# Altium PCB SG1.PcbDoc (part 2 of 3) (continued)
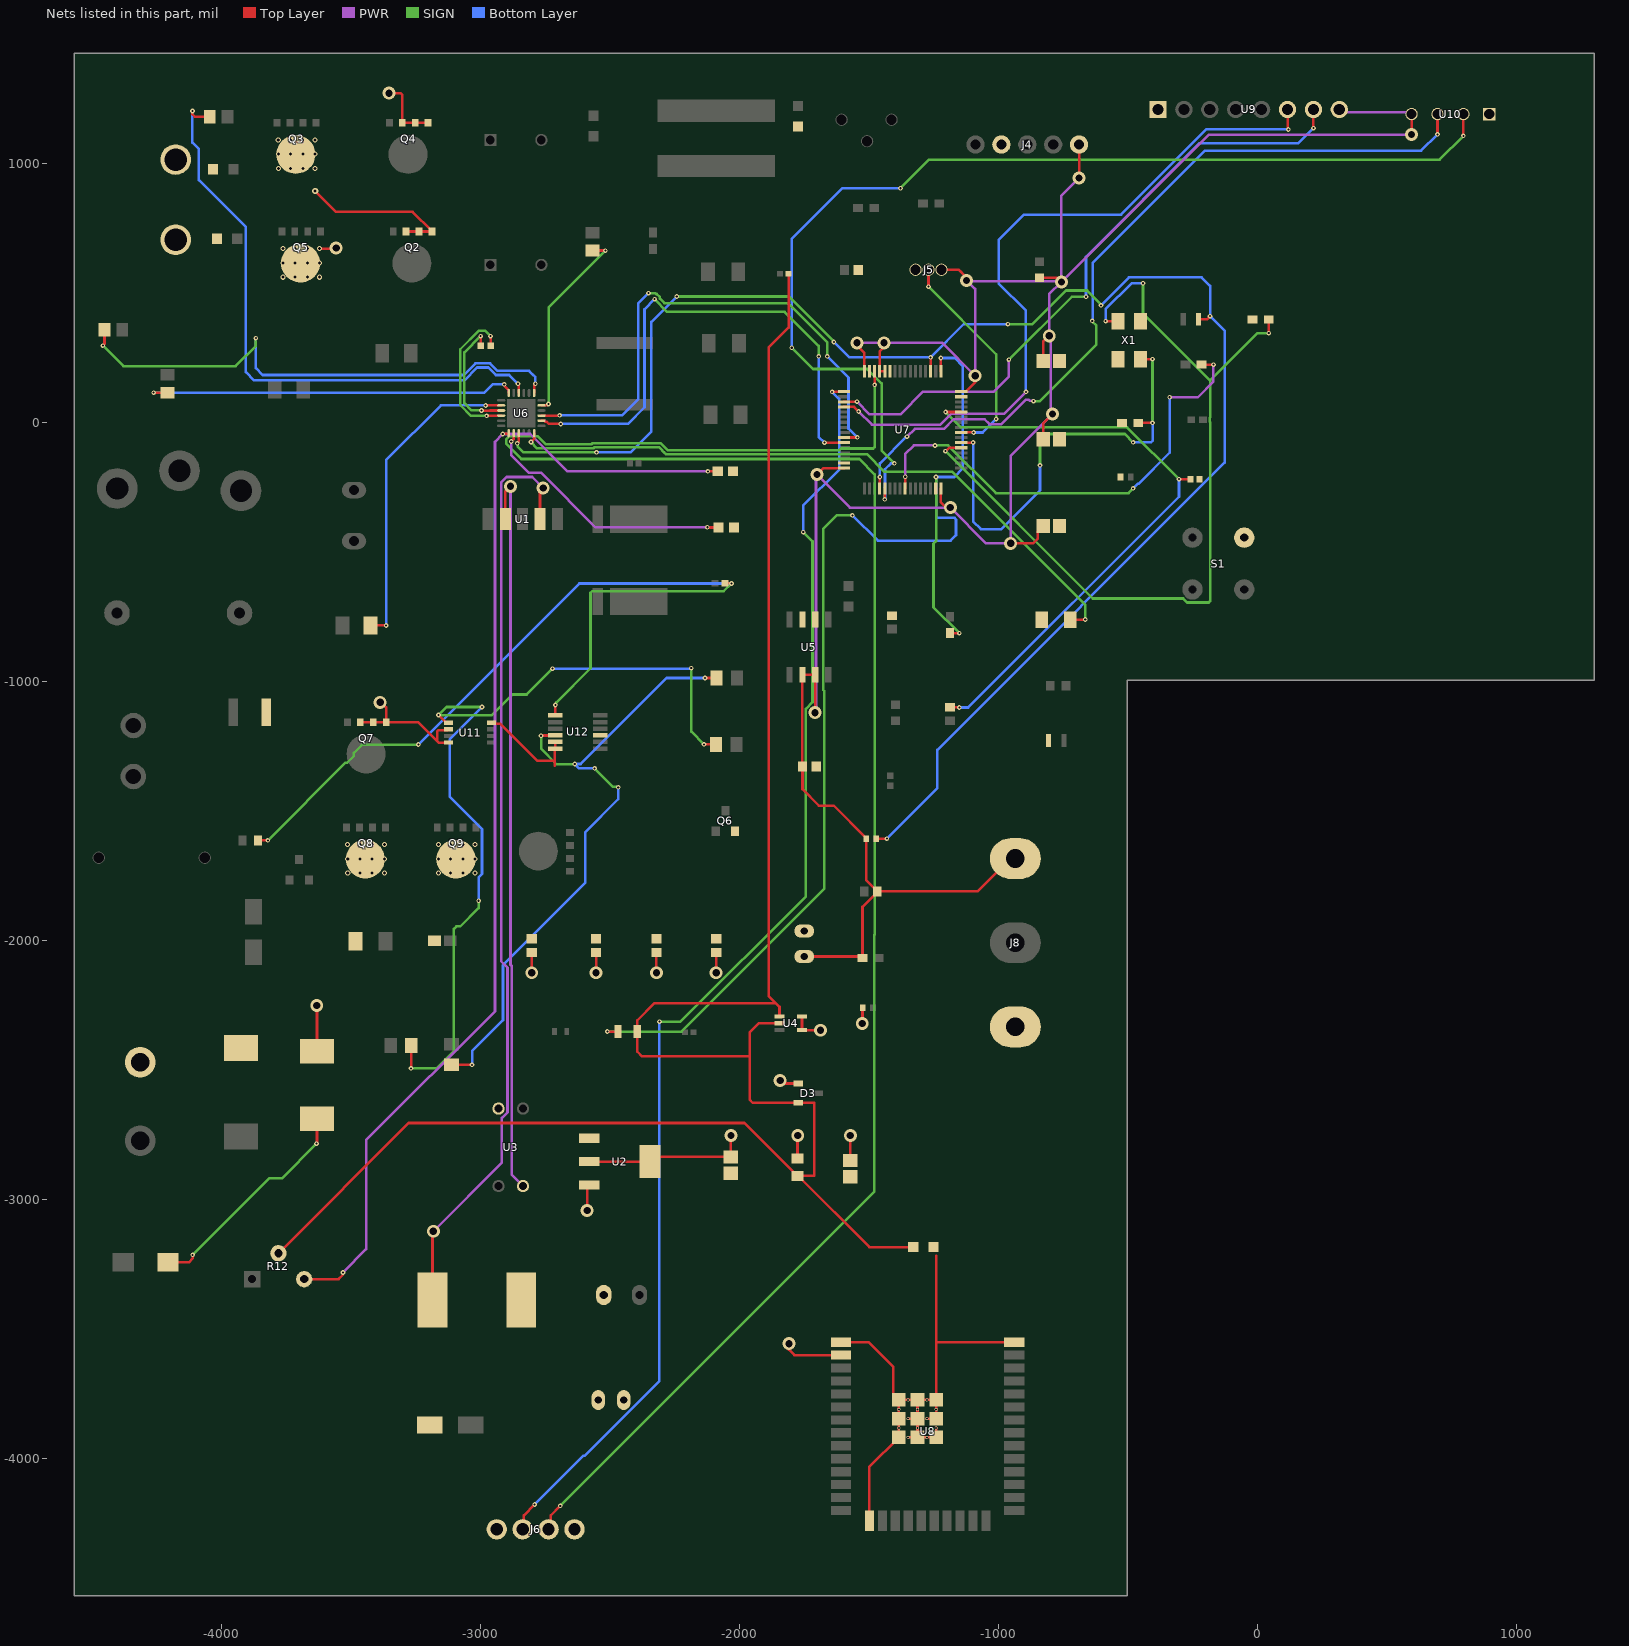
[diagram p6: the nets of this part, all layers, seen from the top]
## Part data (continued)
U5: "Op Amp Single Zero Drift Amplifier 5.5V 8-Pin SOIC T/R", Ambient Temperature Range High=125°C, Case/Package=SOIC, Manufacturer="Texas Instruments", Manufacturer Lifecycle Status=ACTIVE, Max Junction Temperature (Tj)=150°C, Max Supply Voltage=5.5V, Min Operating Temperature=-40°C, Min Supply Voltage=2.7V, Nominal Supply Current=1.8mA, Supplier Part Number=595-INA240A1DR, Input Bias Current=90µA, Input Offset Voltage (Vos)=5µV, Bandwidth=400kHz, Category="Amplifiers - Op Amps, Buffer, Instrumentation", ComponentLink1Description=https://octopart.com:443/opatz8j6/c1?t=p-PgJrBFAr8xA6fUixjtJEPcygJhrUZgODNz6c-SVpAmd7h37absvwpdDSscf9_fUmiKMwmbz2Q6SpPSRPK0336Y4rwoY2Iitpj1kQqgpHpu2wssLHzjzgpYb186uSYTS6YEsI_uj73frUpw-DEzwRcxR0ogwW3lRb3qsMkRbUBukn47oyCbq071jaAY9MBIGZHLBKoenuXvNUOOPTiu_AwXT_jyV2VnXKSY5WodKwTBRxbLrd8wybhHTZ-no2vx-8xHMNuLRnvfPdC5L6Uakl6jnnSBLaOPQcPi__H6nHpuj7xnvw3vNJogrSGHRjAs9vvVE426YQ9TVA4noLKO4DGM7J69EemgYwMsMjUeoZ3UwrNR1hR4201P9ZR_y-TiABf4pg&src-supplier=Texas+Instruments, ComponentLink1URL=https://octopart.com:443/opatz8j6/c1?t=p-PgJrBFAr8xA6fUixjtJEPcygJhrUZgODNz6c-SVpAmd7h37absvwpdDSscf9_fUmiKMwmbz2Q6SpPSRPK0336Y4rwoY2Iitpj1kQqgpHpu2wssLHzjzgpYb186uSYTS6YEsI_uj73frUpw-DEzwRcxR0ogwW3lRb3qsMkRbUBukn47oyCbq071jaAY9MBIGZHLBKoenuXvNUOOPTiu_AwXT_jyV2VnXKSY5WodKwTBRxbLrd8wybhHTZ-no2vx-8xHMNuLRnvfPdC5L6Uakl6jnnSBLaOPQcPi__H6nHpuj7xnvw3vNJogrSGHRjAs9vvVE426YQ9TVA4noLKO4DGM7J69EemgYwMsMjUeoZ3UwrNR1hR4201P9ZR_y-TiABf4pg&src-supplier=Texas+Instruments, ComponentLink2Description=https://sigma.octopart.com:443/49249642/technical_drawing/Texas-Instruments-INA240A1DR.pdf?src-supplier=Texas+Instruments, ComponentLink2URL=https://sigma.octopart.com:443/49249642/technical_drawing/Texas-Instruments-INA240A1DR.pdf?src-supplier=Texas+Instruments, ComponentLink3Description=https://datasheet.octopart.com:443/INA240A1DR-Texas-Instruments-datasheet-147851276.pdf?src-supplier=SHENGYU+ELECTRONICS, ComponentLink3URL=https://datasheet.octopart.com:443/INA240A1DR-Texas-Instruments-datasheet-147851276.pdf?src-supplier=SHENGYU+ELECTRONICS, ComponentLink4Description=https://datasheet.octopart.com:443/INA240A1DR-Texas-Instruments-datasheet-140571434.pdf?src-supplier=Arrow.cn, ComponentLink4URL=https://datasheet.octopart.com:443/INA240A1DR-Texas-Instruments-datasheet-140571434.pdf?src-supplier=Arrow.cn, ComponentLink5Description=http://sigma.octopart.com:80/reach_statement/Texas-Instruments-company-64.pdf?src-supplier=Compliance+Statements, ComponentLink5URL=http://sigma.octopart.com:80/reach_statement/Texas-Instruments-company-64.pdf?src-supplier=Compliance+Statements, ComponentLink6Description=http://sigma.octopart.com:80/conflict_mineral_statement/Texas-Instruments-company-63.pdf?src-supplier=Compliance+Statements, ComponentLink6URL=http://sigma.octopart.com:80/conflict_mineral_statement/Texas-Instruments-company-63.pdf?src-supplier=Compliance+Statements, Height=1.75mm, Length=4.9mm, Lifecycle Status=Production, Manufacturer Part Number=INA240A1DR, Max Operating Temperature=125°C, Number of Channels=1, Pins=8, Pricing="1=3,25, 10=2,43, 50=2,23, 100=2, 1000=1,78, 10000=1,72 (USD)", Response Time=9.6µs, RoHS=Compliant, Schedule B=8542390000, Stock=3431, Supplier=Mouser, Thickness=1.58mm, Width=3.91mm
U6: "IC MOTOR DRIVER 0V-5.5V 24VQFN / DRV8701 Brushed DC Motor Full-Bridge Gate Driver", Ambient Temperature Range High=125°C, Case/Package=VQFN, Manufacturer="Texas Instruments", Manufacturer Lifecycle Status=ACTIVE, Max Junction Temperature (Tj)=150°C, Max Supply Voltage=45V, Min Operating Temperature=-40°C, Min Supply Voltage=5.9V, Nominal Supply Current=6mA, Supplier Part Number=595-DRV8701ERGER, Category="Motor Drivers", ComponentLink1Description=https://octopart.com:443/opatz8j6/c1?t=ehAvkSXBWFOcNy9gonZ63OFc4bGZy_2bC1yLMMZIE2dHvvmlfP0jhbvnU8Lmxs1os63rxVSLRkGfXEyoXZwuI3xa-A0nKTkUdkof3FcH7DoixXm7eccnxPjwKUbon8TyokAeKmHARyr0YTEYu2yTSqZqwhN4T5qjFzB3LmGwYiWcRp1IAWblEDvyTzgm9MlCjGAc7pFp8-BPtV_aZqMkSCa5FXPY0wjPPEvaFqR9bR4LURryWP85fi2f2SdWa8VnjSuqI1QvioQUQNJM9wxRjQVNXkbLhzpyfd5lk-jkTzwJSa7BcbDh8f7bv5xnoKYdxg9tK1lmzh9ymQi7DFEKtgHp_jmJbFmHhosrZ3PDnB4z80oZFuFmV3wgX_LxNwYzUNjWA44&src-supplier=Texas+Instruments, ComponentLink1URL=https://octopart.com:443/opatz8j6/c1?t=ehAvkSXBWFOcNy9gonZ63OFc4bGZy_2bC1yLMMZIE2dHvvmlfP0jhbvnU8Lmxs1os63rxVSLRkGfXEyoXZwuI3xa-A0nKTkUdkof3FcH7DoixXm7eccnxPjwKUbon8TyokAeKmHARyr0YTEYu2yTSqZqwhN4T5qjFzB3LmGwYiWcRp1IAWblEDvyTzgm9MlCjGAc7pFp8-BPtV_aZqMkSCa5FXPY0wjPPEvaFqR9bR4LURryWP85fi2f2SdWa8VnjSuqI1QvioQUQNJM9wxRjQVNXkbLhzpyfd5lk-jkTzwJSa7BcbDh8f7bv5xnoKYdxg9tK1lmzh9ymQi7DFEKtgHp_jmJbFmHhosrZ3PDnB4z80oZFuFmV3wgX_LxNwYzUNjWA44&src-supplier=Texas+Instruments, ComponentLink2Description=https://sigma.octopart.com:443/102096900/technical_drawing/Texas-Instruments-DRV8701ERGER.pdf?src-supplier=Texas+Instruments, ComponentLink2URL=https://sigma.octopart.com:443/102096900/technical_drawing/Texas-Instruments-DRV8701ERGER.pdf?src-supplier=Texas+Instruments, ComponentLink3Description=https://sigma.octopart.com:443/49249793/technical_drawing/Texas-Instruments-DRV8701ERGER.pdf?src-supplier=Texas+Instruments, ComponentLink3URL=https://sigma.octopart.com:443/49249793/technical_drawing/Texas-Instruments-DRV8701ERGER.pdf?src-supplier=Texas+Instruments, ComponentLink4Description=https://datasheet.octopart.com:443/DRV8701ERGER-Texas-Instruments-datasheet-149152576.pdf?src-supplier=SHENGYU+ELECTRONICS, ComponentLink4URL=https://datasheet.octopart.com:443/DRV8701ERGER-Texas-Instruments-datasheet-149152576.pdf?src-supplier=SHENGYU+ELECTRONICS, ComponentLink5Description=https://datasheet.octopart.com:443/DRV8701ERGER-Texas-Instruments-datasheet-41215435.pdf?src-supplier=Future+Electronics, ComponentLink5URL=https://datasheet.octopart.com:443/DRV8701ERGER-Texas-Instruments-datasheet-41215435.pdf?src-supplier=Future+Electronics, ComponentLink6Description=https://datasheet.octopart.com:443/DRV8701ERGER-Texas-Instruments-datasheet-161906130.pdf?src-supplier=LCSC, ComponentLink6URL=https://datasheet.octopart.com:443/DRV8701ERGER-Texas-Instruments-datasheet-161906130.pdf?src-supplier=LCSC, ComponentLink7Description=https://datasheet.octopart.com:443/DRV8701ERGER-Texas-Instruments-datasheet-140571382.pdf?src-supplier=Arrow.cn, ComponentLink7URL=https://datasheet.octopart.com:443/DRV8701ERGER-Texas-Instruments-datasheet-140571382.pdf?src-supplier=Arrow.cn, ComponentLink8Description=http://sigma.octopart.com:80/reach_statement/Texas-Instruments-company-64.pdf?src-supplier=Compliance+Statements, ComponentLink8URL=http://sigma.octopart.com:80/reach_statement/Texas-Instruments-company-64.pdf?src-supplier=Compliance+Statements, ComponentLink9Description=http://sigma.octopart.com:80/conflict_mineral_statement/Texas-Instruments-company-63.pdf?src-supplier=Compliance+Statements, ComponentLink9URL=http://sigma.octopart.com:80/conflict_mineral_statement/Texas-Instruments-company-63.pdf?src-supplier=Compliance+Statements, Height=1mm, Lead Free="Lead Free", Length=4mm, Lifecycle Status=Production, Manufacturer Part Number=DRV8701ERGER, Max Operating Temperature=125°C, Motor Type=Brushed, Mounting Technology="Surface Mount", Number of Outputs=1, Packaging="Tape & Reel (TR)", Pins=24, Pricing="1=2,5, 10=1,86, 50=1,7, 100=1,53, 1000=1,35, 10000=1,28 (USD)", RoHS=Compliant, Schedule B="8542390000, 8542390000|8542390000|8542390000|8542390000|8542390000", Stock=27951, Supplier=Mouser, Thickness=880µm, Width=4mm, Interface=Parallel
U7: "MCU 32-bit ARM Cortex M4 RISC 512KB Flash 1.8V/2.5V/3.3V 64-Pin LQFP Tray", Ambient Temperature Range High=85°C, Clock Frequency=48MHz, Frequency=170MHz, Manufacturer=STMicroelectronics, Max Junction Temperature (Tj)=105°C, Max Supply Current=34mA, Max Supply Voltage=3.6V, Min Operating Temperature=-40°C, Min Supply Voltage=1.71V, Operating Supply Voltage=3V, Supplier Part Number=3132418, ADC Channels (Resolution)="26-Ch 12-Bit", Category=Microcontrollers, China RoHS=Compliant, ComponentLink1Description=https://datasheet.octopart.com:443/STM32G474RET6-STMicroelectronics-datasheet-181247485.pdf?src-supplier=IHS, ComponentLink1URL=https://datasheet.octopart.com:443/STM32G474RET6-STMicroelectronics-datasheet-181247485.pdf?src-supplier=IHS, ComponentLink2Description=https://datasheet.octopart.com:443/STM32G474RET6-STMicroelectronics-datasheet-144618862.pdf?src-supplier=TME, ComponentLink2URL=https://datasheet.octopart.com:443/STM32G474RET6-STMicroelectronics-datasheet-144618862.pdf?src-supplier=TME, ComponentLink3Description=https://datasheet.octopart.com:443/STM32G474RET6-STMicroelectronics-datasheet-136696182.pdf?src-supplier=Future+Electronics, ComponentLink3URL=https://datasheet.octopart.com:443/STM32G474RET6-STMicroelectronics-datasheet-136696182.pdf?src-supplier=Future+Electronics, Core Architecture="ARM Cortex-M4", DAC Channels (Resolution)="7-Ch 12-Bit", Data Bus Width=32b, EEPROM Memory Size=0B, Flash Memory Size=512kB, Height=1.6mm, Height - Seated (Max)=1.6mm, Length=10mm, Lifecycle Status=Production, Manufacturer Part Number=STM32G474RET6, Max Operating Temperature=85°C, Memory Format=FLASH, Memory Size=512kB, Number of A/D Converters=5, Number of ADC Channels=26, Number of Channels=26, Number of D/A Converters=3, Number of PWM Channels=32, Number of SPI Channels=3, Number of Terminals=64, Number of Timers/Counters=15, Number of UART Channels=2, Number of USART Channels=3, Number of USB Channels=1, Number of I2C Channels=4, Number of I/Os=9, Number of Interrupts=16, Peripherals=POR, Pricing="1=6,99, 10=5,62, 25=5,21, 50=5,14, 100=5,06, 250=4,99 (EUR)", RAM Size=128kB, REACH SVHC=Yes, RoHS=Compliant, Schedule B="8542310000, 8542310000|8542310000|8542310000|8542310000|8542310000", Stock=9665, Supplier=Farnell, Terminal Pitch=500µm, Width=10mm, Interface="QSPI, USB"
U9: "IMU (Inertial Measurement Unit), 6-Axis, Accelerometer, Gyroscope", Case Code (Metric)=1608, Case Code (Imperial)=0603, Manufacturer=InvenSense, Manufacturer Part Number=MPU-6050, Max Operating Temperature=85°C, Max Supply Voltage=3.46V, Min Operating Temperature=-40°C, Min Supply Voltage=2.375V, Operating Supply Voltage=2.5V, Power Rating=100mW, Supplier Part Number=1864742, Tolerance=1%, Voltage Rating=75V, Case/Package=0603, Category="Inertial Measurement Units (IMUs)", ComponentLink1Description=https://datasheet.octopart.com:443/MPU-6050-InvenSense-datasheet-17844634.pdf?src-supplier=Upverter, ComponentLink1URL=https://datasheet.octopart.com:443/MPU-6050-InvenSense-datasheet-17844634.pdf?src-supplier=Upverter, ComponentLink2Description=https://datasheet.octopart.com:443/MPU-6050-InvenSense-datasheet-21631037.pdf?src-supplier=IHS, ComponentLink2URL=https://datasheet.octopart.com:443/MPU-6050-InvenSense-datasheet-21631037.pdf?src-supplier=IHS, ComponentLink3Description=https://datasheet.octopart.com:443/MPU-6050-InvenSense-datasheet-14421344.pdf?src-supplier=element14+APAC, ComponentLink3URL=https://datasheet.octopart.com:443/MPU-6050-InvenSense-datasheet-14421344.pdf?src-supplier=element14+APAC, ComponentLink4Description=https://datasheet.octopart.com:443/MPU-6050-InvenSense-datasheet-8859467.pdf?src-supplier=Newark, ComponentLink4URL=https://datasheet.octopart.com:443/MPU-6050-InvenSense-datasheet-8859467.pdf?src-supplier=Newark, ComponentLink5Description=https://datasheet.octopart.com:443/MPU-6050-InvenSense-datasheet-155375909.pdf?src-supplier=TDK, ComponentLink5URL=https://datasheet.octopart.com:443/MPU-6050-InvenSense-datasheet-155375909.pdf?src-supplier=TDK, ComponentLink6Description=https://datasheet.octopart.com:443/MPU-6050-InvenSense-datasheet-11762955.pdf?src-supplier=Farnell, ComponentLink6URL=https://datasheet.octopart.com:443/MPU-6050-InvenSense-datasheet-11762955.pdf?src-supplier=Farnell, Height=450µm, Height - Seated (Max)=950µm, Length=4mm, Lifecycle Status=NRND, Max Length=4.1mm, Max Thickness=950µm, Max Width=4.1mm, Min Length=3.9mm, Min Thickness=850µm, Min Width=3.9mm, Mounting Technology="Surface Mount", Number of Circuits=1, Number of Terminals=24, Output Type=Digital, Packaging="Tape and Reel", Pins=24, Pricing="1=6,83, 10=5,7, 25=5,35, 50=5,05, 100=4,81, 250=4,63, 500=4,43 (EUR)", Radiation Hardening=No, REACH SVHC=Yes, RoHS=Compliant, Supplier=Farnell, Terminal Pitch=500µm, Width=4mm, Interface=I2C
U11: "OR Controller N-Channel Single Automotive 8-Pin MSOP Tube / IC OR CTRLR N+1 8MSOP", Case/Package=MSOP, Manufacturer="Analog Devices", Manufacturer Lifecycle Status=PRODUCTION, Max Operating Temperature=85°C, Max Output current=180mA, Max Supply Voltage=80V, Min Operating Temperature=-40°C, Min Supply Voltage=4V, Nominal Supply Current=150µA, Category="Hot Swap Controllers", ComponentLink1Description=https://octopart.com:443/opatz8j6/c1?t=_P40TfJSJXDZt56jomm_QCaV2W9ovGhsmmsOr-jhAwoCJ8nBLABmPJZhMtd9jjF5hxL1_00-h1PSZMWNgisxjLor_nTRai5VSPSv7C30GKc6fB5Irl3JnoxXP6guWu3apPr0PFiiVpLUoXbJVRp6NFZQZkSSQtA-ym9nyDkwm4hFZ6aPWkuTkGMSIQRbKLFRiG3TpYClyGIEk8cre1-RNpxUfVtqVrzznXBdFvjW7k8HJfomxoh2QY9RslEN6MsN_sQCc8xlBgnroxPUy_RknD4svorm-bCFLp_eYvwDcJ65KenarPCoDA&src-supplier=Analog+Devices, ComponentLink1URL=https://octopart.com:443/opatz8j6/c1?t=_P40TfJSJXDZt56jomm_QCaV2W9ovGhsmmsOr-jhAwoCJ8nBLABmPJZhMtd9jjF5hxL1_00-h1PSZMWNgisxjLor_nTRai5VSPSv7C30GKc6fB5Irl3JnoxXP6guWu3apPr0PFiiVpLUoXbJVRp6NFZQZkSSQtA-ym9nyDkwm4hFZ6aPWkuTkGMSIQRbKLFRiG3TpYClyGIEk8cre1-RNpxUfVtqVrzznXBdFvjW7k8HJfomxoh2QY9RslEN6MsN_sQCc8xlBgnroxPUy_RknD4svorm-bCFLp_eYvwDcJ65KenarPCoDA&src-supplier=Analog+Devices, ComponentLink2Description=https://datasheet.octopart.com:443/LTC4359IMS8%23PBF-Analog-Devices-datasheet-140795748.pdf?src-supplier=element14+APAC, ComponentLink2URL=https://datasheet.octopart.com:443/LTC4359IMS8%23PBF-Analog-Devices-datasheet-140795748.pdf?src-supplier=element14+APAC, ComponentLink3Description=https://datasheet.octopart.com:443/LTC4359IMS8%23PBF-Analog-Devices-datasheet-158590489.pdf?src-supplier=Augswan, ComponentLink3URL=https://datasheet.octopart.com:443/LTC4359IMS8%23PBF-Analog-Devices-datasheet-158590489.pdf?src-supplier=Augswan, ComponentLink4Description=https://datasheet.octopart.com:443/LTC4359IMS8%23PBF-Linear-Technology-datasheet-57717354.pdf?src-supplier=Linear+Technology, ComponentLink4URL=https://datasheet.octopart.com:443/LTC4359IMS8%23PBF-Linear-Technology-datasheet-57717354.pdf?src-supplier=Linear+Technology, ComponentLink5Description=https://sigma.octopart.com:443/57689691/technical_drawing/Linear-Technology-LTC4359IMS8%23PBF.pdf?src-supplier=Linear+Technology, ComponentLink5URL=https://sigma.octopart.com:443/57689691/technical_drawing/Linear-Technology-LTC4359IMS8%23PBF.pdf?src-supplier=Linear+Technology, ComponentLink6Description=https://datasheet.octopart.com:443/LTC4359IMS8%23PBF-Linear-Technology-datasheet-11773680.pdf?src-supplier=Arrow+Electronics, ComponentLink6URL=https://datasheet.octopart.com:443/LTC4359IMS8%23PBF-Linear-Technology-datasheet-11773680.pdf?src-supplier=Arrow+Electronics, ComponentLink7Description=https://datasheet.octopart.com:443/LTC4359IMS8%23PBF-Analog-Devices-datasheet-14357927.pdf?src-supplier=Newchip+Electronics+Limited, ComponentLink7URL=https://datasheet.octopart.com:443/LTC4359IMS8%23PBF-Analog-Devices-datasheet-14357927.pdf?src-supplier=Newchip+Electronics+Limited, ComponentLink8Description=http://sigma.octopart.com:80/conflict_mineral_statement/Analog-Devices-company-33.pdf?src-supplier=Compliance+Statements, ComponentLink8URL=http://sigma.octopart.com:80/conflict_mineral_statement/Analog-Devices-company-33.pdf?src-supplier=Compliance+Statements, ComponentLink9Description=https://octopart.com:443/opatz8j6/c1?t=XMv486en4cgRczUhByXESygA7tzcWfPA65o52ghxq4CXCY5NS57rdy5GGbwVE8XfZyKs-Pss4HrKqDtDv8emV_VCOba_2B0i215LcHmypdXyqbKoV6hHKkyeszMd1G80nbJlVl28xOaq3ImAQwkx3MBKoeKSCRUWEeTh7O6SnaO6lulbOrhBpa7lUpYX2qexamutmNVBBP7Kuf_BfwVA6xNgWJaaLpoQaJnsVBxMCYgV8GT8S6w0VND9CLazxAvXxfuvXrc9_2mcoElFnkU-aAFDwJb3cbIgcdgtTW9GLMnN3gYe9mDzlQ&src-supplier=Compliance+Statements, ComponentLink9URL=https://octopart.com:443/opatz8j6/c1?t=XMv486en4cgRczUhByXESygA7tzcWfPA65o52ghxq4CXCY5NS57rdy5GGbwVE8XfZyKs-Pss4HrKqDtDv8emV_VCOba_2B0i215LcHmypdXyqbKoV6hHKkyeszMd1G80nbJlVl28xOaq3ImAQwkx3MBKoeKSCRUWEeTh7O6SnaO6lulbOrhBpa7lUpYX2qexamutmNVBBP7Kuf_BfwVA6xNgWJaaLpoQaJnsVBxMCYgV8GT8S6w0VND9CLazxAvXxfuvXrc9_2mcoElFnkU-aAFDwJb3cbIgcdgtTW9GLMnN3gYe9mDzlQ&src-supplier=Compliance+Statements, Lead Free="Lead Free", Lifecycle Status=Production, Manufacturer Part Number=LTC4359IMS8#PBF, Number of Drivers=1, Number of Outputs=1, Pins=8, Pricing="1=9,08, 10=7,02, 50=6,69, 100=5,8, 250=5,55, 500=5,44 (EUR)", RoHS=Compliant, Schedule B="8542310000, 8542390000, 8542390000|8542390000|8542390000|8542390000|8542390000|8542390000|8542390000|8542390000|8542390000|8542390000|8542390000|8542390000|8542390000|8542390000|8542390000|8542390000|8542390000|8542390000|8542390000|8542390000|8542390000|8542390000|8542390000|85", Stock=348, Supplier=Farnell, Supplier Part Number=LTC4359IMS8#PBF, Turn-Off Delay Time=500ns
U12: library part LT4363IMS-2#PBF, "Circuit Protection Misc High Voltage Surge Stopper with Current Limit", Case/Package=MSOP, Clamping Voltage=27V, Manufacturer="Analog Devices", Manufacturer Lifecycle Status=PRODUCTION, Manufacturer Part Number=LT4363MPMS-1#TRPBF, Max Operating Temperature=85°C, Max Supply Voltage=80V, Min Operating Temperature=-40°C, Min Supply Voltage=4V, Nominal Supply Current=700µA, Nominal Supply Voltage=12V, Category="Hot Swap Controllers", ComponentLink1Description=https://octopart.com:443/opatz8j6/c1?t=g8yZI-WwmnHB_vbMX34rM1w-FVIDuFRStvEBEGjv-t7dY-yn6edyVpvHiGWVwXk36mJtHaakebzYH0pbcDC9nAFzvMX55UE01VpBw0EvuzOYQuQyHVXSkEwA9UrcLhArsI8crRkas2E3x20SSd_j0bG3UdC2S3P2-55djwoCcbCa9x_vW4mWI6Pbbhes42ab_Mm48tbaz0AMQirVxpVGA3itoBnPvYNW2nXIrlFGQrOJUnHEnTZGMHqmHwXgR_Tlx3P7WXantRchJJux0Cl3oIBQ6pMTohaApkUOsGSDa4JuYPEXn45JWQ&src-supplier=Analog+Devices, ComponentLink1URL=https://octopart.com:443/opatz8j6/c1?t=g8yZI-WwmnHB_vbMX34rM1w-FVIDuFRStvEBEGjv-t7dY-yn6edyVpvHiGWVwXk36mJtHaakebzYH0pbcDC9nAFzvMX55UE01VpBw0EvuzOYQuQyHVXSkEwA9UrcLhArsI8crRkas2E3x20SSd_j0bG3UdC2S3P2-55djwoCcbCa9x_vW4mWI6Pbbhes42ab_Mm48tbaz0AMQirVxpVGA3itoBnPvYNW2nXIrlFGQrOJUnHEnTZGMHqmHwXgR_Tlx3P7WXantRchJJux0Cl3oIBQ6pMTohaApkUOsGSDa4JuYPEXn45JWQ&src-supplier=Analog+Devices, ComponentLink2Description=https://datasheet.octopart.com:443/LT4363MPMS-1%23TRPBF-Linear-Technology-datasheet-16808119.pdf?src-supplier=Upverter, ComponentLink2URL=https://datasheet.octopart.com:443/LT4363MPMS-1%23TRPBF-Linear-Technology-datasheet-16808119.pdf?src-supplier=Upverter, ComponentLink3Description=https://datasheet.octopart.com:443/LT4363MPMS-1%23TRPBF-Analog-Devices-datasheet-48003674.pdf?src-supplier=Newchip+Electronics+Limited, ComponentLink3URL=https://datasheet.octopart.com:443/LT4363MPMS-1%23TRPBF-Analog-Devices-datasheet-48003674.pdf?src-supplier=Newchip+Electronics+Limited, ComponentLink4Description=https://sigma.octopart.com:443/57695431/technical_drawing/Linear-Technology-LT4363MPMS-1%23TRPBF.pdf?src-supplier=Linear+Technology, ComponentLink4URL=https://sigma.octopart.com:443/57695431/technical_drawing/Linear-Technology-LT4363MPMS-1%23TRPBF.pdf?src-supplier=Linear+Technology, ComponentLink5Description=http://sigma.octopart.com:80/conflict_mineral_statement/Analog-Devices-company-33.pdf?src-supplier=Compliance+Statements, ComponentLink5URL=http://sigma.octopart.com:80/conflict_mineral_statement/Analog-Devices-company-33.pdf?src-supplier=Compliance+Statements, ComponentLink6Description=https://octopart.com:443/opatz8j6/c1?t=upX8bGaY0C_XhAgK0tvuE4KuG34pd1dqjCgMGSFl4A4VfJwnA-G2iPp1-_xl9tlvp47bIYjpGNIjJgQeIzPXlpvhsBRu-ZZqvMGXOy-0TvtKIjLrlnKqpwMA3gUbHz7op1PS0t33v5G0SwlTw0DW8UOb0qzWfk6qHP7B7oxV7v4SQDT7Kv3aFCYxemazye3958pU0imV6PXlzZXgUE6TdK9BZeuQDHDxv2Lx3eHIn183-cqc5tcQD9qR7x6H9J_DywiqtQ8guaVb2EPAcjERqDFoPchTgqXMyI2T8b-Hn7iuDHJnAWewLw&src-supplier=Compliance+Statements, ComponentLink6URL=https://octopart.com:443/opatz8j6/c1?t=upX8bGaY0C_XhAgK0tvuE4KuG34pd1dqjCgMGSFl4A4VfJwnA-G2iPp1-_xl9tlvp47bIYjpGNIjJgQeIzPXlpvhsBRu-ZZqvMGXOy-0TvtKIjLrlnKqpwMA3gUbHz7op1PS0t33v5G0SwlTw0DW8UOb0qzWfk6qHP7B7oxV7v4SQDT7Kv3aFCYxemazye3958pU0imV6PXlzZXgUE6TdK9BZeuQDHDxv2Lx3eHIn183-cqc5tcQD9qR7x6H9J_DywiqtQ8guaVb2EPAcjERqDFoPchTgqXMyI2T8b-Hn7iuDHJnAWewLw&src-supplier=Compliance+Statements, ComponentLink7Description=https://datasheet.octopart.com:443/LT4363IMS-2%23PBF-Analog-Devices-datasheet-16808119.pdf?src-supplier=Upverter, ComponentLink7URL=https://datasheet.octopart.com:443/LT4363IMS-2%23PBF-Analog-Devices-datasheet-16808119.pdf?src-supplier=Upverter, ComponentLink8Description=https://octopart.com:443/opatz8j6/c1?t=-IHcXZz8wf17Co3lJavFHjPk-jkjkbeE4FdSPYckKG-W26AH8QtQvgpVO8pSyIYJH4MIluO-quCPdq0IYsrL5xEJfkoWcv9ETdU4LRmwEu_QaNUHWW1x1p2NOujrI1czxFPuXzgNB89LoG9zMgWoaE8idJS3WKmYLS9sBBfM7ivdFLcJ03sPEP5W3TyyvmJEisV6tOozvhDCwz-NbNr_qWq7vIv3e2u2OtMyOZeqdy9MQ7VmyH1OnZ3GHaGImkjZNX9WHhXeQsYdpNQJx9v8Dd7EIeMeRmu2NjR7aH39sP_VGgL-3JzLxA&src-supplier=Analog+Devices, ComponentLink8URL=https://octopart.com:443/opatz8j6/c1?t=-IHcXZz8wf17Co3lJavFHjPk-jkjkbeE4FdSPYckKG-W26AH8QtQvgpVO8pSyIYJH4MIluO-quCPdq0IYsrL5xEJfkoWcv9ETdU4LRmwEu_QaNUHWW1x1p2NOujrI1czxFPuXzgNB89LoG9zMgWoaE8idJS3WKmYLS9sBBfM7ivdFLcJ03sPEP5W3TyyvmJEisV6tOozvhDCwz-NbNr_qWq7vIv3e2u2OtMyOZeqdy9MQ7VmyH1OnZ3GHaGImkjZNX9WHhXeQsYdpNQJx9v8Dd7EIeMeRmu2NjR7aH39sP_VGgL-3JzLxA&src-supplier=Analog+Devices, ComponentLink9Description=https://datasheet.octopart.com:443/LT4363IMS-2%23PBF-Analog-Devices-datasheet-157246151.pdf?src-supplier=Newchip+Electronics+Limited, ComponentLink9URL=https://datasheet.octopart.com:443/LT4363IMS-2%23PBF-Analog-Devices-datasheet-157246151.pdf?src-supplier=Newchip+Electronics+Limited, ComponentLink10Description=https://sigma.octopart.com:443/57695431/technical_drawing/Linear-Technology-LT4363IMS-2%23PBF.pdf?src-supplier=Linear+Technology, ComponentLink10URL=https://sigma.octopart.com:443/57695431/technical_drawing/Linear-Technology-LT4363IMS-2%23PBF.pdf?src-supplier=Linear+Technology, ComponentLink11Description=https://datasheet.octopart.com:443/LT4363IMS-2%23PBF-Linear-Technology-datasheet-11557070.pdf?src-supplier=Arrow+Electronics, ComponentLink11URL=https://datasheet.octopart.com:443/LT4363IMS-2%23PBF-Linear-Technology-datasheet-11557070.pdf?src-supplier=Arrow+Electronics, ComponentLink12Description=https://datasheet.octopart.com:443/LT4363IMS-2%23PBF-Linear-Technology-datasheet-10915746.pdf?src-supplier=Farnell, ComponentLink12URL=https://datasheet.octopart.com:443/LT4363IMS-2%23PBF-Linear-Technology-datasheet-10915746.pdf?src-supplier=Farnell, ComponentLink13Description=https://datasheet.octopart.com:443/LT4363IMS-2%23PBF-Linear-Technology-datasheet-10704508.pdf?src-supplier=Component+Distributors+Inc., ComponentLink13URL=https://datasheet.octopart.com:443/LT4363IMS-2%23PBF-Linear-Technology-datasheet-10704508.pdf?src-supplier=Component+Distributors+Inc., ComponentLink14Description=https://octopart.com:443/opatz8j6/c1?t=ov3Kxoe_DC7fAzVY9nj0-62S96ULmO_6ZbMSPat3xYGpsnqzj5canMsxfoRN1ZRc_18gTD_GsfnKt9q-ufd8fGCuFQtTIEPt1KoRkOURSC3Oguhxm71ep0Cxh36by45lKF4SedGJb6NO9ztMtBZMWLsztLg5ZHghx9ADcRyN_CBXFw39hroyNObFrqWfVziCGXaFT18OGdeRBSZDlnW_MpVfTXUUrmwnAM1coZsA5MeT4wFdsSjiSTl4renPEe9RbKBU6R7PCV5lcK1j4lQVbinNQ__ejP83fk6F6QwqnfKsYZRM15WY3A&src-supplier=Compliance+Statements, ComponentLink14URL=https://octopart.com:443/opatz8j6/c1?t=ov3Kxoe_DC7fAzVY9nj0-62S96ULmO_6ZbMSPat3xYGpsnqzj5canMsxfoRN1ZRc_18gTD_GsfnKt9q-ufd8fGCuFQtTIEPt1KoRkOURSC3Oguhxm71ep0Cxh36by45lKF4SedGJb6NO9ztMtBZMWLsztLg5ZHghx9ADcRyN_CBXFw39hroyNObFrqWfVziCGXaFT18OGdeRBSZDlnW_MpVfTXUUrmwnAM1coZsA5MeT4wFdsSjiSTl4renPEe9RbKBU6R7PCV5lcK1j4lQVbinNQ__ejP83fk6F6QwqnfKsYZRM15WY3A&src-supplier=Compliance+Statements, Height=860µm, Lead Free="Lead Free", Length=4.04mm, Lifecycle Status=Production, Number of Circuits=1, Packaging="Tape and Reel", Pins=12, Pricing="2500=13,8449 (USD)", REACH SVHC=No, RoHS=Compliant, Schedule B="8542390000, 8542390000|8542390000|8542390000|8542390000|8542390000", Stock=74, Supplier="Arrow Electronics", Supplier Part Number=LT4363MPMS-1#TRPBF, Width=3mm, Working Voltage=80V